# Altium PCB IntelligentCarFor51PcbDoc.PcbDoc (part 2 of 14)
Units mil, origin at the board's own origin, x right, y up, seen from the top; angles counter-clockwise.
Board outline 2298.05 x 2090.03 mil, 2 copper layers (Top Layer, Bottom Layer); 55 components, 66 nets, 258 pads, 143 vias.
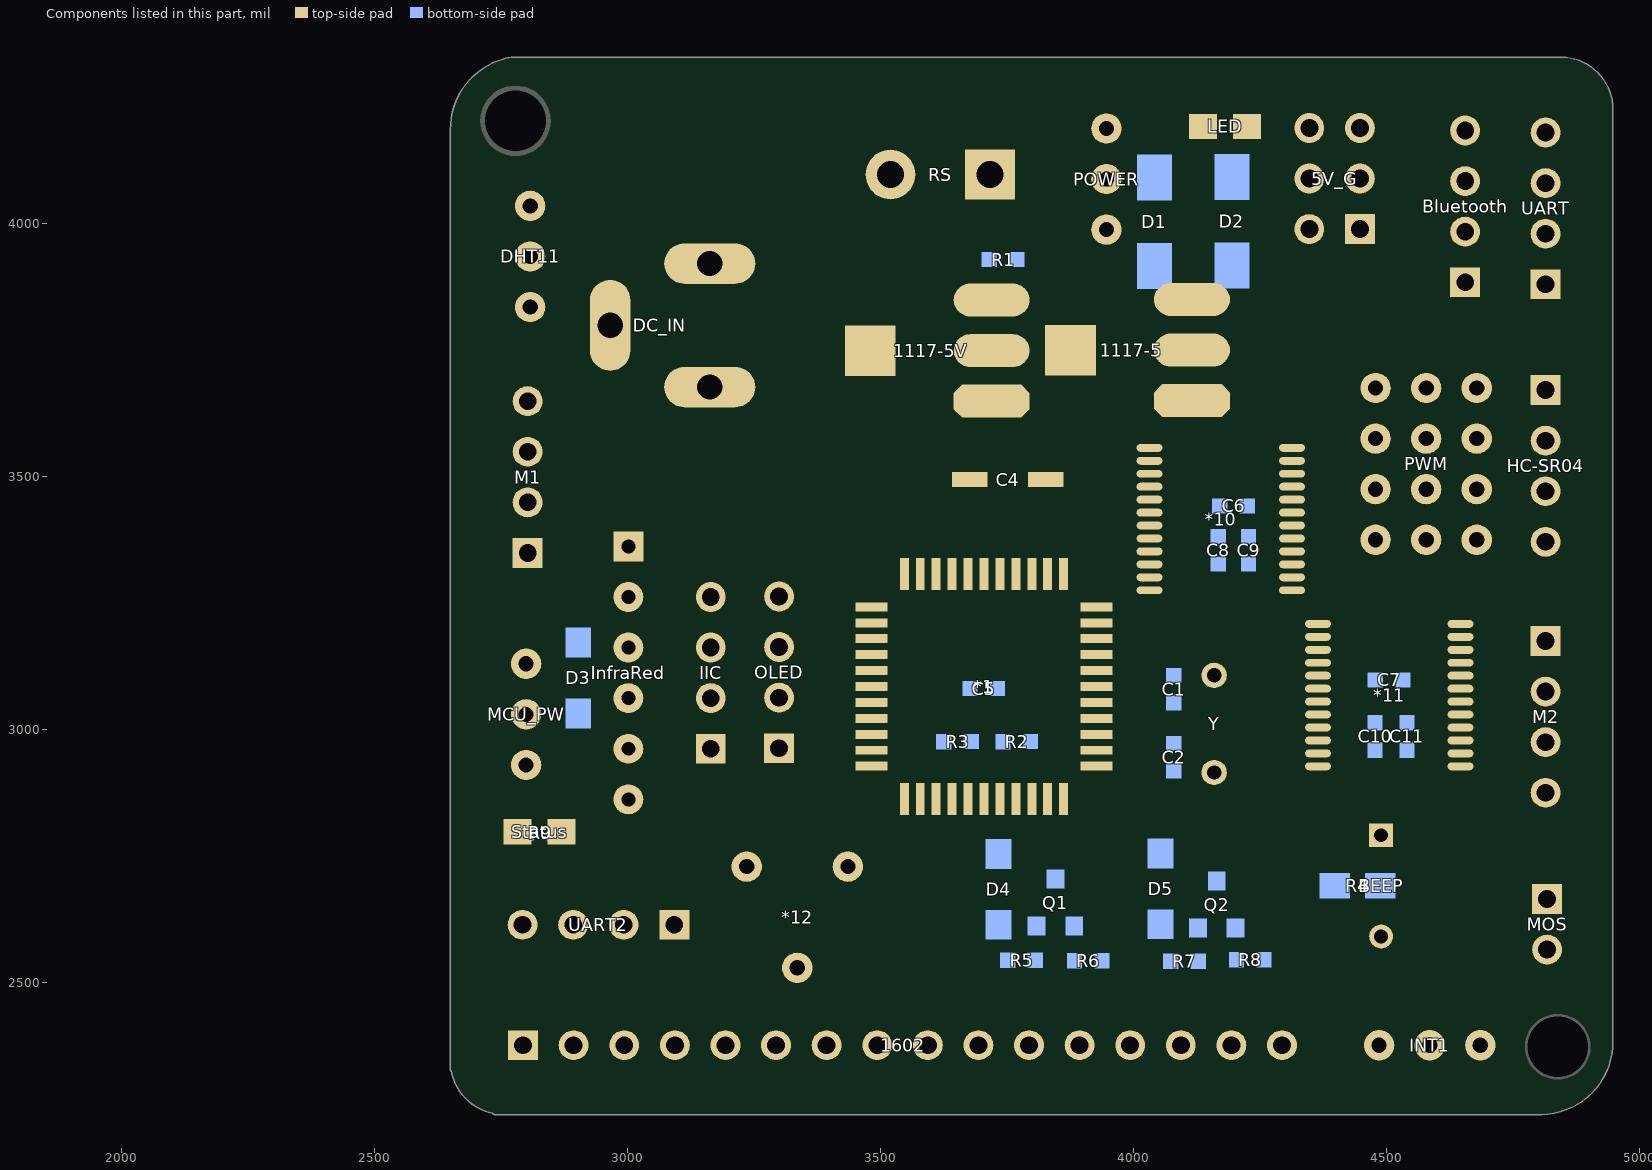
[diagram p2: the components of this part, seen from the top]

## Via types
v1: diameter 12, hole 8, Top Layer to Bottom Layer, 53 vias
v2: diameter 10, hole 7, Top Layer to Bottom Layer, 20 vias
v3: diameter 20, hole 12, Top Layer to Bottom Layer, 15 vias
v4: diameter 35, hole 25, Top Layer to Bottom Layer, 13 vias
v5: diameter 15, hole 10, Top Layer to Bottom Layer, 10 vias
v6: diameter 18, hole 12, Top Layer to Bottom Layer, 10 vias
v7: diameter 50, hole 35, Top Layer to Bottom Layer, 7 vias
v8: diameter 30, hole 20, Top Layer to Bottom Layer, 5 vias
v9: diameter 12, hole 7, Top Layer to Bottom Layer, 3 vias
v10: diameter 25, hole 18, Top Layer to Bottom Layer, 2 vias
v11: diameter 40, hole 30, Top Layer to Bottom Layer, 2 vias
v12: diameter 8, hole 7, Top Layer to Bottom Layer, 1 vias
v13: diameter 30, hole 22, Top Layer to Bottom Layer, 1 vias
v14: diameter 24, hole 18, Top Layer to Bottom Layer, 1 vias

## Nets (pads, with @x,y where several pads share a name; then routed paths per layer and width w, separated by ;. In a path a pad name is that pad's centre, name@x,y a point inside that pad or via, vN(x,y) a via of type N, cw(c..) or ccw(c..) an arc to the next point about the centre after c; other vN are vias at no path point) (continued)
copper on no net: (continued)
  Top Layer w0.3: 2028.1,4000.9 2028.4,4000.9 ; 2028.1,4001.2 2028.4,4001.2 ; 2028.1,4001.5 2028.4,4001.5 ; 2028.1,4001.8 2028.4,4001.8 ; 2028.1,4002.1 2028.4,4002.1 ; 2028.1,4002.4 2028.4,4002.4 ; 2028.1,4002.7 2028.4,4002.7 ; 2028.1,4003 2028.4,4003 ; 2028.1,4003.3 2028.4,4003.3 ; 2028.1,4003.6 2028.7,4003.6 ; 2028.4,4000.3 2029,4000.3 ; 2028.4,4000.6 2028.7,4000.6 ; 2028.4,4003.9 2028.7,4003.9 ; 2028.4,4004.2 2029,4004.2 ; 2028.7,4000 2038,4000 ; 2028.7,4004.5 2043.1,4004.5 ; 2029.3,3988.6 2035.6,3988.6 ; 2029.3,3999.7 2037.7,3999.7 ; 2029.3,4004.8 2039.8,4004.8 ; 2029.3,4005.1 2039.8,4005.1 ; 2029.3,4005.4 2040.1,4005.4 ; 2029.3,4005.7 2040.1,4005.7 ; 2029.3,4006 2040.4,4006 ; 2029.3,4006.3 2040.4,4006.3 ; 2029.3,4006.6 2040.7,4006.6 ; 2029.6,3988.3 2034.7,3988.3 ; 2029.6,3988.9 2036.2,3988.9 ; 2029.6,3989.2 2036.2,3989.2 ; 2029.6,3989.5 2036.5,3989.5 ; 2029.6,3998.2 2037.4,3998.2 ; 2029.6,3998.5 2037.4,3998.5 ; 2029.6,3998.8 2037.4,3998.8 ; 2029.6,3999.1 2037.7,3999.1 ; 2029.6,3999.4 2037.7,3999.4 ; 2029.6,4006.9 2041,4006.9 ; 2029.6,4007.2 2041,4007.2 ; 2029.6,4007.5 2041.3,4007.5 ; 2029.6,4007.8 2041.3,4007.8 ; 2029.6,4008.1 2041.6,4008.1 ; 2029.9,3989.8 2036.8,3989.8 ; 2029.9,3990.1 2036.8,3990.1 ; 2029.9,3996.7 2036.8,3996.7 ; 2029.9,3997 2037.1,3997 ; 2029.9,3997.3 2037.1,3997.3 ; 2029.9,3997.6 2037.1,3997.6 ; 2029.9,3997.9 2037.4,3997.9 ; 2029.9,4008.4 2041.6,4008.4 ; 2030.2,3990.4 2037.1,3990.4 ; 2030.2,3990.7 2037.4,3990.7 ; 2030.2,3995.8 2036.8,3995.8 ; 2030.2,3996.1 2036.8,3996.1 ; 2030.2,3996.4 2036.8,3996.4 ; 2030.5,3991 2037.4,3991 ; 2030.5,3991.3 2037.4,3991.3 ; 2030.5,3994.9 2036.5,3994.9 ; 2030.5,3995.2 2036.5,3995.2 ; 2030.5,3995.5 2036.8,3995.5 ; 2030.5,4008.7 2041.9,4008.7 ; 2030.8,3991.6 2037.7,3991.6 ; 2030.8,3991.9 2037.7,3991.9 ; 2030.8,3994.3 2036.5,3994.3 ; 2030.8,3994.6 2036.5,3994.6 ; 2030.8,4009 2042.2,4009 ; 2031.1,3992.2 2038,3992.2 ; 2031.1,3992.5 2038,3992.5 ; 2031.1,3992.8 2038,3992.8 ; 2031.1,3993.7 2035.9,3993.7 ; 2031.1,3994 2036.2,3994 ; 2031.4,3993.1 2032.6,3993.1 ; 2031.4,3993.4 2031.7,3993.4 ; 2031.4,4009.3 2042.2,4009.3 ; 2031.7,4009.6 2042.5,4009.6 ; 2032.3,4009.9 2042.8,4009.9 ; 2032.6,3993.4 2034.7,3993.4 ; 2032.9,4010.2 2042.8,4010.2 ; 2033.2,4010.5 2043.1,4010.5 ; 2033.2,4011.1 2033.8,4011.1 ; 2033.2,4011.4 2034.1,4011.4 ; 2033.2,4011.7 2044,4011.7 ; 2033.2,4012 2034.7,4012 ; 2033.2,4012.3 2035.3,4012.3 ; 2033.2,4012.6 2035.6,4012.6 ; 2033.2,4012.9 2035.9,4012.9 ; 2033.2,4013.2 2036.2,4013.2 ; 2033.2,4013.5 2045.8,4013.5 ; 2033.2,4013.8 2046.1,4013.8 ; 2033.2,4014.1 2046.4,4014.1 ; 2033.2,4014.4 2046.4,4014.4 ; 2033.2,4014.7 2046.7,4014.7 ; 2033.2,4015 2037.7,4015 ; 2033.2,4015.3 2037.4,4015.3 ; 2033.2,4015.6 2037.4,4015.6 ; 2033.2,4015.9 2037.4,4015.9 ; 2033.2,4016.2 2037.4,4016.2 ; 2033.5,3987.7 2034.7,3987.7 ; 2033.5,3988 2034.7,3988 ; 2033.5,4010.8 2043.4,4010.8 ; 2033.5,4016.5 2037.4,4016.5 ; 2033.5,4016.8 2037.4,4016.8 ; 2033.5,4017.1 2037.4,4017.1 ; 2033.5,4017.4 2037.4,4017.4 ; 2033.5,4017.7 2037.4,4017.7 ; 2033.8,3986.8 2036.2,3986.8 ; 2033.8,3987.1 2035.3,3987.1 ; 2033.8,3987.4 2034.7,3987.4 ; 2033.8,4018 2037.4,4018 ; 2034.1,3986.5 2038,3986.5 ; 2034.1,4011.1 2043.7,4011.1 ; 2034.1,4018.3 2037.4,4018.3 ; 2034.1,4018.6 2037.4,4018.6 ; 2034.1,4018.9 2037.4,4018.9 ; 2034.1,4029.7 2041,4029.7 ; 2034.1,4030 2041,4030 ; 2034.1,4030.3 2040.1,4030.3 ; 2034.1,4030.6 2041.3,4030.6 ; 2034.4,3986.2 2040.1,3986.2 ; 2034.4,3993.1 2038.3,3993.1 ; 2034.4,4011.4 2043.7,4011.4 ; 2034.4,4019.2 2037.7,4019.2 ; 2034.4,4019.5 2037.7,4019.5 ; 2034.4,4019.8 2037.7,4019.8 ; 2034.4,4020.1 2037.7,4020.1 ; 2034.4,4030.9 2040.4,4030.9 ; 2034.7,4000.3 2038,4000.3 ; 2034.7,4004.2 2039.5,4004.2 ; 2034.7,4020.4 2038,4020.4 ; 2034.7,4020.7 2038,4020.7 ; 2034.7,4021 2038,4021 ; 2034.7,4021.3 2037.1,4021.3 ; 2034.7,4021.6 2065.3,4021.6 ; 2034.7,4021.9 2040.4,4021.9 ; 2034.7,4031.2 2040.7,4031.2 ; 2035,3985.9 2040.7,3985.9 ; 2035,4000.6 2038,4000.6 ; 2035,4003.9 2039.5,4003.9 ; 2035,4022.2 2038.3,4022.2 ; 2035,4022.5 2038.3,4022.5 ; 2035,4022.8 2038.6,4022.8 ; 2035,4023.1 2038.6,4023.1 ; 2035,4023.4 2038.6,4023.4 ; 2035,4023.7 2038.6,4023.7 ; 2035,4024 2038.6,4024 ; 2035,4024.3 2038.9,4024.3 ; 2035,4031.5 2041.9,4031.5 ; 2035.3,4000.9 2038.3,4000.9 ; 2035.3,4001.2 2038.3,4001.2 ; 2035.3,4001.5 2038.3,4001.5 ; 2035.3,4001.8 2038.6,4001.8 ; 2035.3,4002.1 2038.6,4002.1 ; 2035.3,4002.4 2038.9,4002.4 ; 2035.3,4002.7 2038.9,4002.7 ; 2035.3,4003 2038.9,4003 ; 2035.3,4003.3 2039.2,4003.3 ; 2035.3,4003.6 2039.2,4003.6 ; 2035.3,4012 2044.3,4012 ; 2035.3,4024.6 2038.9,4024.6 ; 2035.3,4024.9 2038.9,4024.9 ; 2035.3,4025.2 2039.2,4025.2 ; 2035.3,4025.5 2039.2,4025.5 ; 2035.3,4025.8 2039.2,4025.8 ; 2035.3,4026.1 2039.5,4026.1 ; 2035.3,4026.4 2038.6,4026.4 ; 2035.3,4026.7 2039.5,4026.7 ; 2035.3,4031.8 2041,4031.8 ; 2035.6,4012.3 2044.6,4012.3 ; 2035.6,4027 2039.8,4027 ; 2035.6,4027.3 2039.8,4027.3 ; 2035.6,4027.6 2040.1,4027.6 ; 2035.6,4027.9 2040.1,4027.9 ; 2035.6,4028.2 2040.1,4028.2 ; 2035.6,4028.5 2039.2,4028.5 ; 2035.6,4028.8 2044,4028.8 ; 2035.6,4032.1 2042.5,4032.1 ; 2035.9,3993.4 2038.3,3993.4 ; 2035.9,4012.6 2044.9,4012.6 ; 2035.9,4029.1 2040.7,4029.1 ; 2035.9,4029.4 2040.7,4029.4 ; 2035.9,4032.4 2041.3,4032.4 ; 2036.2,3985.6 2041.3,3985.6 ; 2036.2,3988.6 2036.5,3988.6 ; 2036.2,3993.7 2038.3,3993.7 ; 2036.2,4012.9 2044.9,4012.9 ; 2036.2,4032.7 2041.6,4032.7 ; 2036.5,3988.9 2037.7,3988.9 ; 2036.5,3994 2038.6,3994 ; 2036.5,4013.2 2045.2,4013.2 ; 2036.5,4033 2043.4,4033 ; 2036.8,3989.2 2038.6,3989.2 ; 2036.8,3994.3 2038.6,3994.3 ; 2036.8,3994.6 2038.9,3994.6 ; 2036.8,3994.9 2038.9,3994.9 ; 2036.8,3995.2 2038.9,3995.2 ; 2036.8,4033.3 2041.9,4033.3 ; 2036.8,4033.6 2042.2,4033.6 ; 2037.1,3989.5 2039.8,3989.5 ; 2037.1,3989.8 2040.4,3989.8 ; 2037.1,3995.5 2039.2,3995.5 ; 2037.1,3995.8 2039.2,3995.8 ; 2037.1,3996.1 2039.2,3996.1 ; 2037.1,3996.4 2039.5,3996.4 ; 2037.1,4033.9 2042.5,4033.9 ; 2037.1,4034.2 2045.2,4034.2 ; 2037.1,4034.5 2042.8,4034.5 ; 2037.4,3990.1 2041,3990.1 ; 2037.4,3990.4 2041,3990.4 ; 2037.4,3996.7 2039.5,3996.7 ; 2037.4,3997 2039.5,3997 ; 2037.4,3997.3 2039.8,3997.3 ; 2037.4,3997.6 2039.8,3997.6 ; 2037.4,4021.3 2038.3,4021.3 ; 2037.4,4034.8 2043.1,4034.8 ; 2037.4,4035.1 2043.4,4035.1 ; 2037.7,3990.7 2041,3990.7 ; 2037.7,3991 2041.3,3991 ; 2037.7,3997.9 2040.1,3997.9 ; 2037.7,3998.2 2040.1,3998.2 ; 2037.7,3998.5 2040.1,3998.5 ; 2037.7,3998.8 2040.4,3998.8 ; 2037.7,4035.4 2043.7,4035.4 ; 2038,3991.3 2041.3,3991.3 ; 2038,3991.6 2041.3,3991.6 ; 2038,3991.9 2041.3,3991.9 ; 2038,3999.1 2040.4,3999.1 ; 2038,3999.4 2040.7,3999.4 ; 2038,3999.7 2040.7,3999.7 ; 2038,4035.7 2044,4035.7 ; 2038,4036 2044.3,4036 ; 2038.3,3985.3 2041.9,3985.3 ; 2038.3,3992.2 2041.6,3992.2 ; 2038.3,3992.5 2041.6,3992.5 ; 2038.3,4000 2040.7,4000 ; 2038.3,4000.3 2041,4000.3 ; 2038.3,4036.3 2044.6,4036.3 ; 2038.6,3992.8 2041.6,3992.8 ; 2038.6,3993.1 2041.6,3993.1 ; 2038.6,3993.4 2041.9,3993.4 ; 2038.6,4000.6 2041,4000.6 ; 2038.6,4000.9 2041.3,4000.9 ; 2038.6,4001.2 2041.3,4001.2 ; 2038.6,4001.5 2041.6,4001.5 ; 2038.6,4021.3 2061.7,4021.3 ; 2038.6,4036.6 2044.9,4036.6 ; 2038.9,3993.7 2041.9,3993.7 ; 2038.9,3994 2041.9,3994 ; 2038.9,3994.3 2041.9,3994.3 ; 2038.9,4001.8 2041.6,4001.8 ; 2038.9,4002.1 2041.9,4002.1 ; 2038.9,4026.4 2039.5,4026.4 ; 2038.9,4036.9 2045.2,4036.9 ; 2038.9,4037.2 2045.5,4037.2 ; 2039.2,3994.6 2042.2,3994.6 ; 2039.2,3994.9 2042.2,3994.9 ; 2039.2,3995.2 2042.2,3995.2 ; 2039.2,4002.4 2041.9,4002.4 ; 2039.2,4002.7 2042.2,4002.7 ; 2039.2,4003 2042.2,4003 ; 2039.2,4037.5 2060.2,4037.5 ; 2039.5,3995.5 2042.2,3995.5 ; 2039.5,3995.8 2042.5,3995.8 ; 2039.5,3996.1 2042.5,3996.1 ; 2039.5,4003.3 2042.5,4003.3 ; 2039.5,4003.6 2042.5,4003.6 ; 2039.5,4028.5 2079.7,4028.5 ; 2039.8,3985 2042.5,3985 ; 2039.8,3996.4 2042.5,3996.4 ; 2039.8,3996.7 2042.8,3996.7 ; 2039.8,4003.9 2042.8,4003.9 ; 2039.8,4004.2 2042.8,4004.2 ; 2039.8,4015 2047.3,4015 ; 2039.8,4037.8 2046.4,4037.8 ; 2040.1,3997 2042.8,3997 ; 2040.1,3997.3 2042.8,3997.3 ; 2040.1,3997.6 2043.1,3997.6 ; 2040.1,4004.8 2043.1,4004.8 ; 2040.1,4005.1 2043.4,4005.1 ; 2040.1,4015.3 2047.6,4015.3 ; 2040.1,4038.1 2040.7,4038.1 ; 2040.4,3984.7 2043.1,3984.7 ; 2040.4,3997.9 2043.1,3997.9 ; 2040.4,3998.2 2043.1,3998.2 ; 2040.4,3998.5 2043.4,3998.5 ; 2040.4,4005.4 2043.7,4005.4 ; 2040.4,4005.7 2043.7,4005.7 ; 2040.4,4015.6 2047.9,4015.6 ; 2040.4,4030.3 2041.3,4030.3 ; 2040.4,4038.4 2059.3,4038.4 ; 2040.7,3998.8 2043.4,3998.8 ; 2040.7,3999.1 2043.7,3999.1 ; 2040.7,4006 2044,4006 ; 2040.7,4015.9 2048.2,4015.9 ; 2040.7,4016.2 2048.8,4016.2 ; 2040.7,4030.9 2041.6,4030.9 ; 2040.7,4038.7 2046.7,4038.7 ; 2041,3984.4 2044.9,3984.4 ; 2041,3999.4 2043.7,3999.4 ; 2041,3999.7 2043.7,3999.7 ; 2041,4000 2044,4000 ; 2041,4006.3 2044.3,4006.3 ; 2041,4006.6 2044.3,4006.6 ; 2041,4016.5 2049.1,4016.5 ; 2041,4016.8 2049.4,4016.8 ; 2041,4017.1 2050,4017.1 ; 2041,4031.2 2041.9,4031.2 ; 2041,4038.1 2041.3,4038.1 ; 2041,4039 2041.6,4039 ; 2041.3,4000.3 2044,4000.3 ; 2041.3,4000.6 2044.3,4000.6 ; 2041.3,4006.9 2044.6,4006.9 ; 2041.3,4007.2 2044.9,4007.2 ; 2041.3,4017.4 2050.3,4017.4 ; 2041.3,4017.7 2050.9,4017.7 ; 2041.3,4018 2051.5,4018 ; 2041.3,4031.8 2042.2,4031.8 ; 2041.6,3984.1 2044.9,3984.1 ; 2041.6,4000.9 2044.3,4000.9 ; 2041.6,4001.2 2044.6,4001.2 ; 2041.6,4007.5 2044.9,4007.5 ; 2041.6,4007.8 2045.2,4007.8 ; 2041.6,4018.3 2051.8,4018.3 ; 2041.6,4018.6 2052.4,4018.6 ; 2041.6,4018.9 2053,4018.9 ; 2041.6,4032.4 2042.8,4032.4 ; 2041.6,4039.3 2094.7,4039.3 ; 2041.6,4039.6 2048.2,4039.6 ; 2041.9,4001.5 2044.6,4001.5 ; 2041.9,4001.8 2044.9,4001.8 ; 2041.9,4008.1 2045.5,4008.1 ; 2041.9,4019.2 2053.9,4019.2 ; 2041.9,4019.5 2054.5,4019.5 ; 2041.9,4019.8 2055.1,4019.8 ; 2041.9,4020.1 2056,4020.1 ; 2041.9,4032.7 2043.1,4032.7 ; 2041.9,4039.9 2048.5,4039.9 ; 2041.9,4040.2 2065.3,4040.2 ; 2042.2,3983.8 2045.2,3983.8 ; 2042.2,4002.1 2044.9,4002.1 ; 2042.2,4002.4 2045.2,4002.4 ; 2042.2,4008.4 2045.8,4008.4 ; 2042.2,4008.7 2045.8,4008.7 ; 2042.2,4020.4 2056.9,4020.4 ; 2042.2,4020.7 2058.1,4020.7 ; 2042.2,4021 2059.3,4021 ; 2042.2,4033.3 2043.7,4033.3 ; 2042.2,4040.5 2042.5,4040.5 ; 2042.5,4002.7 2045.2,4002.7 ; 2042.5,4003 2045.5,4003 ; 2042.5,4009 2046.1,4009 ; 2042.5,4021.9 2212.9,4021.9 ; 2042.5,4028.2 2079.7,4028.2 ; 2042.5,4033.6 2044,4033.6 ; 2042.8,3983.5 2045.2,3983.5 ; 2042.8,4003.3 2045.8,4003.3 ; 2042.8,4003.6 2045.8,4003.6 ; 2042.8,4009.3 2046.4,4009.3 ; 2042.8,4009.6 2046.7,4009.6 ; 2042.8,4022.2 2212.6,4022.2 ; 2042.8,4022.5 2212.3,4022.5 ; 2042.8,4022.8 2212.3,4022.8 ; 2042.8,4033.9 2044.6,4033.9 ; 2042.8,4040.5 2043.1,4040.5 ; 2043.1,4003.9 2046.1,4003.9 ; 2043.1,4004.2 2046.1,4004.2 ; 2043.1,4009.9 2047,4009.9 ; 2043.1,4023.1 2212.3,4023.1 ; 2043.1,4023.4 2212.3,4023.4 ; 2043.1,4023.7 2212.3,4023.7 ; 2043.1,4034.5 2122.3,4034.5 ; 2043.4,3983.2 2045.2,3983.2 ; 2043.4,3985.9 2044.6,3985.9 ; 2043.4,3986.2 2044.6,3986.2 ; 2043.4,3986.5 2044.6,3986.5 ; 2043.4,3986.8 2044.6,3986.8 ; 2043.4,3987.1 2044.6,3987.1 ; 2043.4,3987.4 2044.6,3987.4 ; 2043.4,3987.7 2044.6,3987.7 ; 2043.4,3988 2044.6,3988 ; 2043.4,3988.3 2044.6,3988.3 ; 2043.4,3988.6 2044.6,3988.6 ; 2043.4,3988.9 2044.6,3988.9 ; 2043.4,3989.2 2044.6,3989.2 ; 2043.4,3989.5 2044.6,3989.5 ; 2043.4,3989.8 2044.6,3989.8 ; 2043.4,3990.1 2044.6,3990.1 ; 2043.4,3990.4 2044.6,3990.4 ; 2043.4,3990.7 2044.6,3990.7 ; 2043.4,3991 2044.6,3991 ; 2043.4,3991.3 2044.6,3991.3 ; 2043.4,3991.6 2044.6,3991.6 ; 2043.4,3991.9 2044.6,3991.9 ; 2043.4,3992.2 2044.6,3992.2 ; 2043.4,4004.5 2046.4,4004.5 ; 2043.4,4010.2 2047.3,4010.2 ; 2043.4,4010.5 2047.6,4010.5 ; 2043.4,4024 2083.9,4024 ; 2043.4,4024.3 2082.7,4024.3 ; 2043.4,4034.8 2122.9,4034.8 ; 2043.4,4040.5 2048.8,4040.5 ; 2043.7,3984.7 2044.9,3984.7 ; 2043.7,3985 2044.9,3985 ; 2043.7,3985.3 2044.9,3985.3 ; 2043.7,3985.6 2044.6,3985.6 ; 2043.7,3992.5 2044.9,3992.5 ; 2043.7,3992.8 2044.9,3992.8 ; 2043.7,3993.1 2044.9,3993.1 ; 2043.7,3993.4 2044.9,3993.4 ; 2043.7,3993.7 2044.9,3993.7 ; 2043.7,4004.8 2046.7,4004.8 ; 2043.7,4005.1 2046.7,4005.1 ; 2043.7,4010.8 2047.9,4010.8 ; 2043.7,4024.6 2082.1,4024.6 ; 2043.7,4024.9 2081.8,4024.9 ; 2043.7,4025.2 2081.2,4025.2 ; 2043.7,4035.1 2129.5,4035.1 ; 2044,3982.9 2045.2,3982.9 ; 2044,3994 2045.2,3994 ; 2044,3994.3 2045.2,3994.3 ; 2044,3994.6 2045.2,3994.6 ; 2044,3994.9 2045.2,3994.9 ; 2044,4005.4 2047,4005.4 ; 2044,4011.1 2048.2,4011.1 ; 2044,4025.5 2080.9,4025.5 ; 2044,4025.8 2080.9,4025.8 ; 2044,4026.1 2080.6,4026.1 ; 2044,4035.4 2122,4035.4 ; 2044.3,3982 2045.5,3982 ; 2044.3,3982.3 2045.5,3982.3 ; 2044.3,3982.6 2045.5,3982.6 ; 2044.3,3995.2 2045.5,3995.2 ; 2044.3,3995.5 2045.5,3995.5 ; 2044.3,3995.8 2045.5,3995.8 ; 2044.3,4005.7 2047.3,4005.7 ; 2044.3,4006 2047.3,4006 ; 2044.3,4011.4 2046.4,4011.4 ; 2044.3,4026.4 2080.3,4026.4 ; 2044.3,4026.7 2080,4026.7 ; 2044.3,4027 2080,4027 ; 2044.3,4027.3 2080,4027.3 ; 2044.3,4028.8 2044.6,4028.8 ; 2044.3,4035.7 2113.6,4035.7 ; 2044.6,3981.1 2046.1,3981.1 ; 2044.6,3981.4 2045.8,3981.4 ; 2044.6,3981.7 2045.8,3981.7 ; 2044.6,3996.1 2045.8,3996.1 ; 2044.6,3996.4 2045.8,3996.4 ; 2044.6,3996.7 2045.8,3996.7 ; 2044.6,4006.3 2047.6,4006.3 ; 2044.6,4011.7 2048.8,4011.7 ; 2044.6,4012 2049.4,4012 ; 2044.6,4027.6 2079.7,4027.6 ; 2044.6,4027.9 2079.7,4027.9 ; 2044.6,4036 2105.5,4036 ; 2044.9,3980.2 2046.4,3980.2 ; 2044.9,3980.5 2046.1,3980.5 ; 2044.9,3980.8 2046.1,3980.8 ; 2044.9,3986.8 2049.1,3986.8 ; 2044.9,3987.1 2049.1,3987.1 ; 2044.9,3987.4 2049.1,3987.4 ; 2044.9,3987.7 2049.1,3987.7 ; 2044.9,3988 2049.1,3988 ; 2044.9,3988.3 2049.1,3988.3 ; 2044.9,3988.6 2049.1,3988.6 ; 2044.9,3988.9 2049.1,3988.9 ; 2044.9,3989.2 2049.1,3989.2 ; 2044.9,3989.5 2049.1,3989.5 ; 2044.9,3989.8 2049.1,3989.8 ; 2044.9,3990.1 2049.1,3990.1 ; 2044.9,3990.4 2049.1,3990.4 ; 2044.9,3990.7 2049.1,3990.7 ; 2044.9,3991 2049.1,3991 ; 2044.9,3997 2046.1,3997 ; 2044.9,3997.3 2046.1,3997.3 ; 2044.9,4006.6 2047.9,4006.6 ; 2044.9,4006.9 2048.2,4006.9 ; 2044.9,4012.3 2049.7,4012.3 ; 2044.9,4028.8 2079.7,4028.8 ; 2044.9,4036.3 2098,4036.3 ; 2045.2,3979.6 2046.7,3979.6 ; 2045.2,3979.9 2046.4,3979.9 ; 2045.2,3984.7 2049.7,3984.7 ; 2045.2,3985 2049.7,3985 ; 2045.2,3985.3 2049.4,3985.3 ; 2045.2,3985.6 2049.4,3985.6 ; 2045.2,3985.9 2049.4,3985.9 ; 2045.2,3986.2 2049.4,3986.2 ; 2045.2,3986.5 2049.4,3986.5 ; 2045.2,3991.3 2049.4,3991.3 ; 2045.2,3991.6 2049.4,3991.6 ; 2045.2,3991.9 2049.4,3991.9 ; 2045.2,3992.2 2049.4,3992.2 ; 2045.2,3992.5 2049.4,3992.5 ; 2045.2,3992.8 2049.7,3992.8 ; 2045.2,3993.1 2049.7,3993.1 ; 2045.2,3997.6 2046.4,3997.6 ; 2045.2,3997.9 2046.4,3997.9 ; 2045.2,3998.2 2046.7,3998.2 ; 2045.2,4007.2 2048.5,4007.2 ; 2045.2,4012.6 2050,4012.6 ; 2045.2,4029.1 2079.7,4029.1 ; 2045.2,4029.4 2079.7,4029.4 ; 2045.2,4036.6 2088.4,4036.6 ; 2045.5,3979 2047,3979 ; 2045.5,3979.3 2046.7,3979.3 ; 2045.5,3983.5 2050,3983.5 ; 2045.5,3983.8 2050,3983.8 ; 2045.5,3984.1 2049.7,3984.1 ; 2045.5,3984.4 2049.7,3984.4 ; 2045.5,3993.4 2049.7,3993.4 ; 2045.5,3993.7 2049.7,3993.7 ; 2045.5,3994 2050,3994 ; 2045.5,3994.3 2050,3994.3 ; 2045.5,3998.5 2046.7,3998.5 ; 2045.5,3998.8 2047,3998.8 ; 2045.5,4007.5 2048.8,4007.5 ; 2045.5,4007.8 2049.1,4007.8 ; 2045.5,4012.9 2050.6,4012.9 ; 2045.5,4029.7 2079.7,4029.7 ; 2045.5,4030 2079.7,4030 ; 2045.5,4030.3 2080,4030.3 ; 2045.5,4036.9 2079.7,4036.9 ; 2045.8,3978.4 2047.3,3978.4 ; 2045.8,3978.7 2047,3978.7 ; 2045.8,3982.6 2050.3,3982.6 ; 2045.8,3982.9 2050.3,3982.9 ; 2045.8,3983.2 2050,3983.2 ; 2045.8,3994.6 2050,3994.6 ; 2045.8,3994.9 2050.3,3994.9 ; 2045.8,3995.2 2050.3,3995.2 ; 2045.8,3999.1 2047,3999.1 ; 2045.8,3999.4 2047.3,3999.4 ; 2045.8,4008.1 2049.1,4008.1 ; 2045.8,4013.2 2050.9,4013.2 ; 2045.8,4030.6 2080,4030.6 ; 2045.8,4030.9 2080,4030.9 ; 2045.8,4031.2 2080.3,4031.2 ; 2045.8,4037.2 2071.3,4037.2 ; 2045.8,4038.1 2046.1,4038.1 ; 2046.1,3977.8 2047.6,3977.8 ; 2046.1,3978.1 2047.3,3978.1 ; 2046.1,3981.7 2050.6,3981.7 ; 2046.1,3982 2050.6,3982 ; 2046.1,3982.3 2050.3,3982.3 ; 2046.1,3995.5 2050.6,3995.5 ; 2046.1,3995.8 2050.6,3995.8 ; 2046.1,3996.1 2050.9,3996.1 ; 2046.1,3999.7 2047.3,3999.7 ; 2046.1,4000 2047.6,4000 ; 2046.1,4008.4 2049.7,4008.4 ; 2046.1,4013.5 2051.5,4013.5 ; 2046.1,4031.5 2080.3,4031.5 ; 2046.1,4031.8 2080.6,4031.8 ; 2046.1,4034.2 2121.7,4034.2 ; 2046.4,3977.5 2047.9,3977.5 ; 2046.4,3981.1 2050.9,3981.1 ; 2046.4,3981.4 2050.9,3981.4 ; 2046.4,3996.4 2050.9,3996.4 ; 2046.4,3996.7 2050.9,3996.7 ; 2046.4,4000.3 2047.9,4000.3 ; 2046.4,4008.7 2048.8,4008.7 ; 2046.4,4013.8 2051.8,4013.8 ; 2046.4,4032.1 2080.9,4032.1 ; 2046.4,4032.4 2081.2,4032.4 ; 2046.4,4032.7 2081.5,4032.7 ; 2046.4,4033.9 2158.6,4033.9 ; 2046.7,3976.9 2048.2,3976.9 ; 2046.7,3977.2 2047.9,3977.2 ; 2046.7,3980.2 2051.5,3980.2 ; 2046.7,3980.5 2051.2,3980.5 ; 2046.7,3980.8 2051.2,3980.8 ; 2046.7,3997 2051.2,3997 ; 2046.7,3997.3 2051.5,3997.3 ; 2046.7,3997.6 2051.5,3997.6 ; 2046.7,4000.6 2047.9,4000.6 ; 2046.7,4000.9 2048.2,4000.9 ; 2046.7,4009 2048.5,4009 ; 2046.7,4011.4 2048.5,4011.4 ; 2046.7,4014.1 2052.4,4014.1 ; 2046.7,4033 2082.1,4033 ; 2046.7,4033.3 2082.4,4033.3 ; 2046.7,4033.6 2083.3,4033.6 ; 2046.7,4037.8 2050.9,4037.8 ; 2046.7,4039 2047.9,4039 ; 2047,3976.3 2048.5,3976.3 ; 2047,3976.6 2048.5,3976.6 ; 2047,3979.6 2051.8,3979.6 ; 2047,3979.9 2051.8,3979.9 ; 2047,3997.9 2051.8,3997.9 ; 2047,3998.2 2051.8,3998.2 ; 2047,4001.2 2048.5,4001.2 ; 2047,4009.3 2048.2,4009.3 ; 2047,4009.6 2050.9,4009.6 ; 2047,4014.4 2053,4014.4 ; 2047,4038.7 2047.3,4038.7 ; 2047.3,3976 2048.8,3976 ; 2047.3,3979 2052.4,3979 ; 2047.3,3979.3 2052.1,3979.3 ; 2047.3,3998.5 2052.1,3998.5 ; 2047.3,3998.8 2052.4,3998.8 ; 2047.3,4001.5 2048.5,4001.5 ; 2047.3,4001.8 2048.8,4001.8 ; 2047.3,4009.9 2051.2,4009.9 ; 2047.3,4014.7 2053.6,4014.7 ; 2047.3,4040.8 2063.8,4040.8 ; 2047.6,3975.7 2049.1,3975.7 ; 2047.6,3978.4 2052.7,3978.4 ; 2047.6,3978.7 2052.7,3978.7 ; 2047.6,3999.1 2052.7,3999.1 ; 2047.6,4002.1 2049.1,4002.1 ; 2047.6,4015 2054.2,4015 ; 2047.6,4038.1 2047.9,4038.1 ; 2047.9,3975.4 2049.4,3975.4 ; 2047.9,3978.1 2053,3978.1 ; 2047.9,3999.4 2052.7,3999.4 ; 2047.9,3999.7 2053,3999.7 ; 2047.9,4002.4 2049.4,4002.4 ; 2047.9,4002.7 2049.4,4002.7 ; 2047.9,4010.2 2051.5,4010.2 ; 2047.9,4015.3 2054.8,4015.3 ; 2047.9,4041.1 2049.1,4041.1 ; 2048.2,3974.8 2049.7,3974.8 ; 2048.2,3975.1 2049.7,3975.1 ; 2048.2,3977.5 2053.6,3977.5 ; 2048.2,3977.8 2053.3,3977.8 ; 2048.2,4000 2053.3,4000 ; 2048.2,4000.3 2053.6,4000.3 ; 2048.2,4003 2049.7,4003 ; 2048.2,4010.5 2052.1,4010.5 ; 2048.2,4010.8 2052.4,4010.8 ; 2048.2,4038.7 2048.8,4038.7 ; 2048.2,4041.4 2049.4,4041.4 ; 2048.5,3974.5 2050,3974.5 ; 2048.5,3977.2 2053.9,3977.2 ; 2048.5,4000.6 2053.9,4000.6 ; 2048.5,4003.3 2050,4003.3 ; 2048.5,4009.3 2050.6,4009.3 ; 2048.5,4015.6 2055.7,4015.6 ; 2048.5,4039 2103.4,4039 ; 2048.5,4039.6 2084.8,4039.6 ; 2048.5,4041.7 2063.2,4041.7 ; 2048.8,3974.2 2050.3,3974.2 ; 2048.8,3976.6 2054.5,3976.6 ; 2048.8,3976.9 2054.2,3976.9 ; 2048.8,4000.9 2054.2,4000.9 ; 2048.8,4001.2 2054.5,4001.2 ; 2048.8,4003.6 2050.3,4003.6 ; 2048.8,4009 2050,4009 ; 2048.8,4011.1 2053,4011.1 ; 2048.8,4015.9 2056.3,4015.9 ; 2048.8,4039.9 2075.2,4039.9 ; 2048.8,4042 2049.7,4042 ; 2048.8,4042.3 2050,4042.3 ; 2049.1,3973.9 2050.6,3973.9 ; 2049.1,3976.3 2054.8,3976.3 ; 2049.1,4001.5 2054.8,4001.5 ; 2049.1,4003.9 2050.6,4003.9 ; 2049.1,4008.7 2049.7,4008.7 ; 2049.1,4011.4 2053.3,4011.4 ; 2049.1,4016.2 2057.5,4016.2 ; 2049.1,4040.5 2064.1,4040.5 ; 2049.1,4042.6 2063.5,4042.6 ; 2049.1,4042.9 2063.5,4042.9 ; 2049.4,3973.6 2050.9,3973.6 ; 2049.4,3976 2055.1,3976 ; 2049.4,4001.8 2055.1,4001.8 ; 2049.4,4004.2 2050.9,4004.2 ; 2049.4,4004.5 2051.2,4004.5 ; 2049.4,4011.7 2053.9,4011.7 ; 2049.4,4041.1 2063.5,4041.1 ; 2049.4,4043.2 2063.5,4043.2 ; 2049.7,3973.3 2051.2,3973.3 ; 2049.7,3975.4 2056,3975.4 ; 2049.7,3975.7 2055.7,3975.7 ; 2049.7,4002.1 2055.7,4002.1 ; 2049.7,4002.4 2056,4002.4 ; 2049.7,4012 2054.5,4012 ; 2049.7,4016.5 2058.4,4016.5 ; 2049.7,4041.4 2063.2,4041.4 ; 2049.7,4043.5 2050.6,4043.5 ; 2050,3972.7 2051.8,3972.7 ; 2050,3973 2051.5,3973 ; 2050,3975.1 2056.3,3975.1 ; 2050,4002.7 2056.3,4002.7 ; 2050,4004.8 2051.8,4004.8 ; 2050,4012.3 2054.8,4012.3 ; 2050,4016.8 2060.2,4016.8 